# Allegro board pc053a_toplevel_33_ans_16-5_routed.brd (continued)
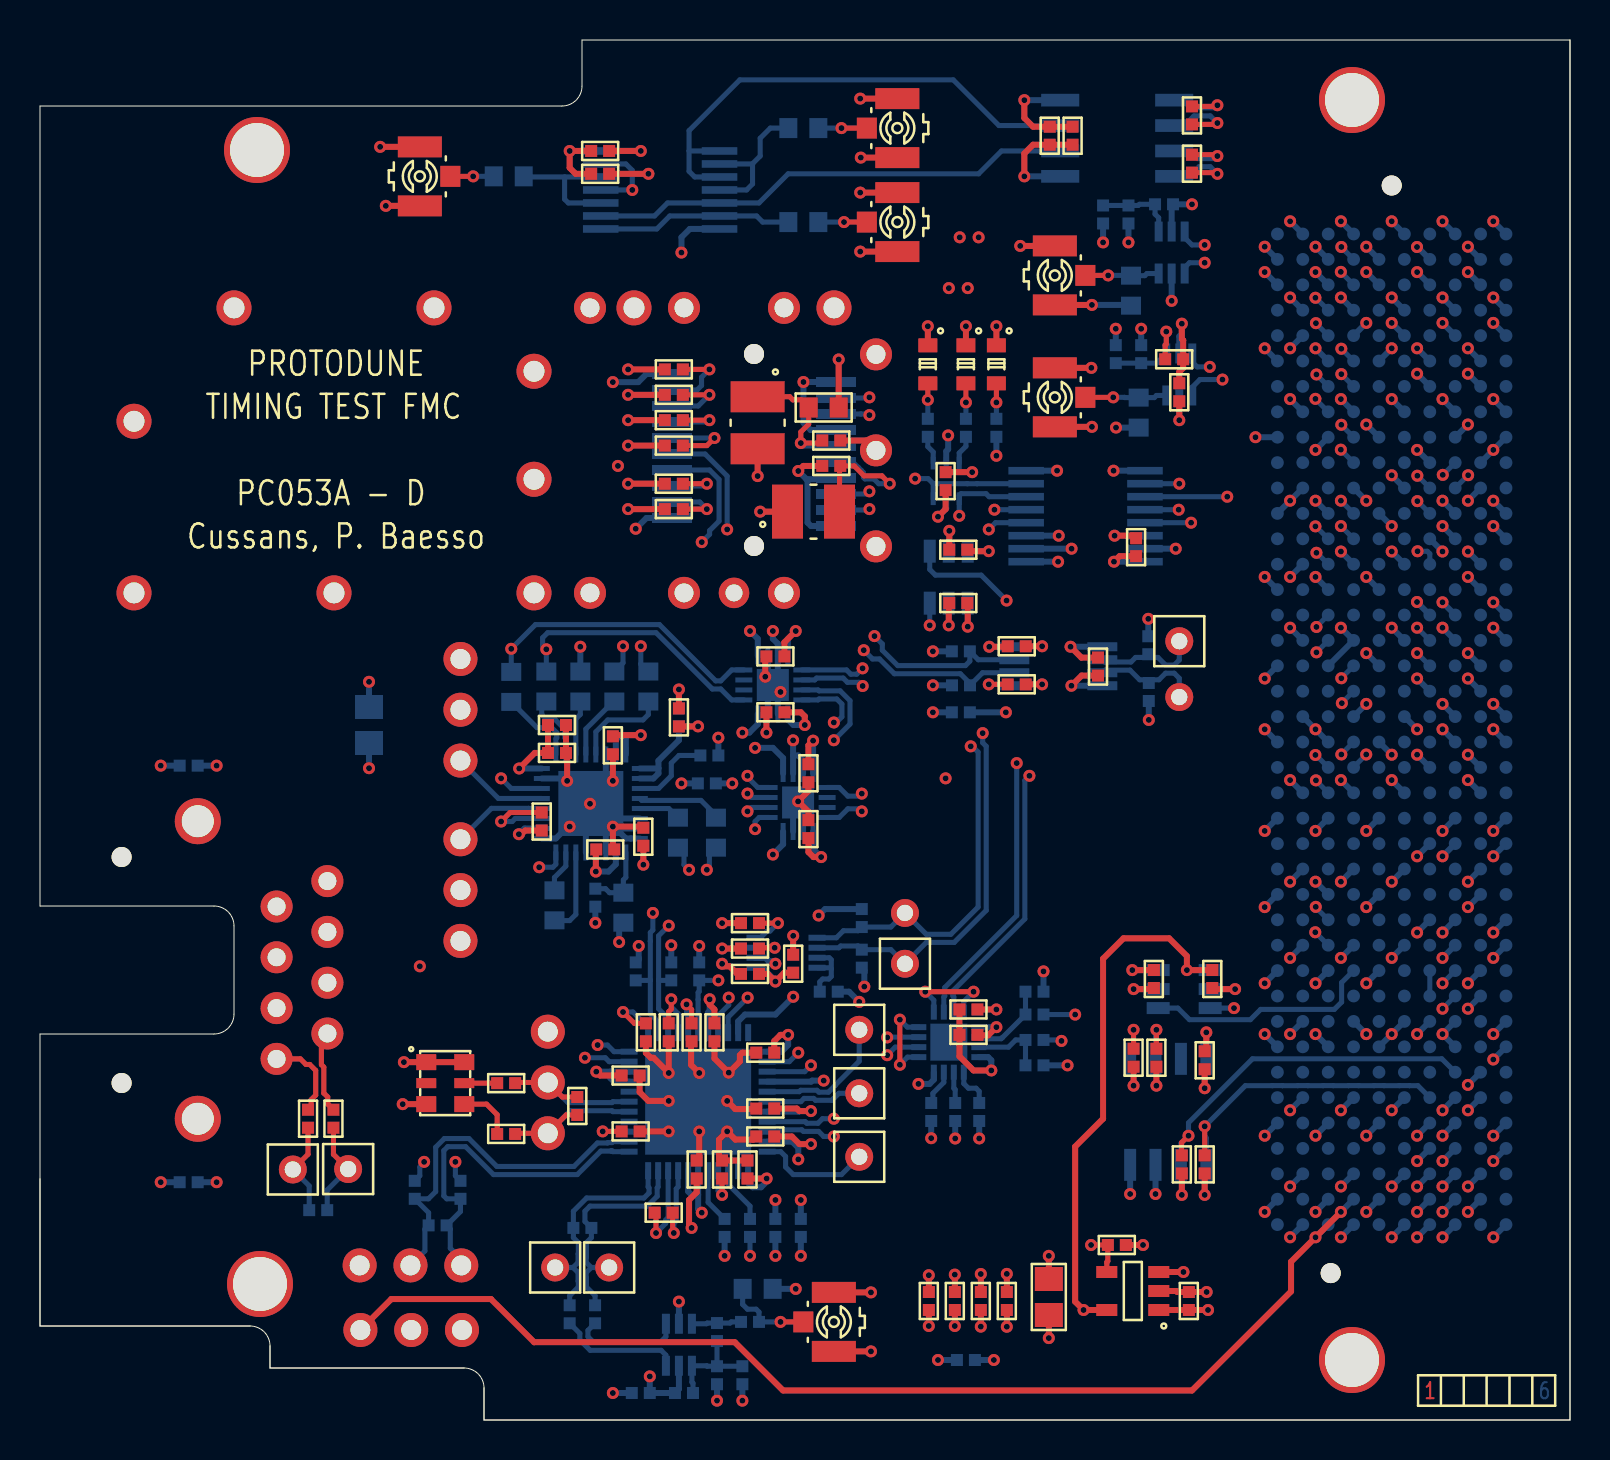
[diagram p0: board, top side]
## Routing (per net, layer and track width the routed paths; a pad name or vN(x,y) marks a point on that pad's centre or on a via; arc(x,y) is an arc through that point) (continued)
P1V8: length 49.4
  TOP w0.3: C65.2 58.61,22.5 v1(57.34,22.5) 57.34,23.19 56.46,24.08 54.17,24.08 53.15,23.07 53.15,15.06 51.76,13.67 51.76,5.92 v1(52.18,5.5) REG1.5 ; R40.1 v1(34.1,24.84) ; C19.2 v1(45.74,4.7) ; C13.2 v1(48.34,4.66) ; C14.2 v1(47.04,4.67) ; C12.2 v1(50.44,4.1) ; R41.1 v1(34.1,23.57) ; C117.2 v1(37.66,24.21) ; C20.2 v1(44.44,4.7)
  BOTTOM w0.3: IC4.32 37.61,13.92 37.91,13.61 v1(37.91,13.03) ; IC16.1 v1(57.34,22.5) ; IC1.2 36.26,23.11 36.44,22.94 36.64,22.94 v1(36.77,22.81) ; 32.41,12.47 32.41,11.43 32.58,11.26 32.91,11.26 ; R13.2 v1(34.23,8.21) ; R16.2 v1(32.96,23.7) ; R14.2 v1(31.56,23.74) ; v1(37.66,21.16) 36.77,20.27 35.25,20.27 34.91,19.93 IC4.21 ; v1(29.94,23.7) 29.94,23.03 R15.2 ; v1(33.09,10.37) 32.91,10.55 32.91,11.26 ; 32.91,11.26 32.91,12.47
P3V3: length 137.1
  TOP w0.3: C60.2 v1(30.42,62.31) ; C8.2 46.89,19.23 47.41,19.23 v1(47.82,19.64) ; QZ1.6 QZ1.1 v1(18.19,17.89) ; v1(49.22,65.99) 49.22,65.1 49.66,64.66 C58.2 C57.2 ; C45.2 37.59,14.18 37.97,13.79 v1(38.55,13.79) ; R29.1 v1(29.4,45.55) ; C32.2 37.84,15.57 37.97,15.45 v1(38.55,15.45) ; v1(30.04,63.45) C59.2 ; v1(23.96,32.58) 24.74,33.35 C37.2 C30.2 ; v1(33.48,21.03) 33.48,20.77 33.72,20.53 C49.2 ; R22.1 v1(29.4,52.53) ; v1(30.04,34.24) 28.7,34.24 C33.2 ; v1(23.94,29.29) 24.07,29.29 24.26,29.47 R57.2 ; R25.2 v1(29.4,48.72) ; L2.1 v1(36.01,45.42) ; C70.2 38.42,33.73 v1(38.65,33.97) ; v1(46.39,39.67) 46.39,40.82 C66.2 ; v1(47.46,38.66) 48.36,38.66 C107.2 ; C55.1 v1(36.33,12.07) ; L1.2 v1(35.88,47.2) ; C29.2 v1(30.17,27.77) ; v1(38.24,34.75) 38.24,35.19 38.04,35.38 C72.2 ; C7.2 v1(47.82,20.53) ; C71.2 37.22,38.88 v1(37.79,39.45) ; v1(32.58,9.6) 32.45,9.73 32.45,11 32.83,11.38 C48.2 ; v1(27.79,27.42) 27.79,28.51 C36.2 ; v1(27.81,17.42) 28.01,17.22 C31.2 ; v1(39.06,28.15) 38.68,28.15 38.42,28.4 C69.2 ; C56.1 56.96,52.4 57.16,52.6 R37.2 57.16,53.98 57.09,54.05 v1(57.09,54.82) ; C34.2 v1(32.9,34.68) ; C46.2 36.71,18.94 37.02,19.26 v1(37.41,19.26) ; v1(58.4,5.5) C9.2 REG1.1 ; R23.1 v1(29.4,51.26) ; C15.2 v1(46.61,47.39) ; REG1.3 v1(57.17,7.4) ; R24.2 v1(29.4,49.99) ; R28.1 v1(29.4,46.81)
  L3PWR w0.4: 18.56,3.47 J8.2 ; J8.2 18.56,5.53 ; J8.2 19.59,4.5 ; J8.2 17.53,4.5
  BOTTOM w0.3: v1(57.09,54.82) 57.09,54.31 56.96,54.18 IC7.5 ; IC17.8 37.39,39.05 v1(37.79,39.45) ; 29.28,34.24 29.02,34.24 28.79,34.01 IC12.31 ; 29.28,34.24 29.29,34.23 IC12.32 ; 29.28,34.24 v1(30.04,34.24) ; 35.41,12.47 35.41,11.86 35.63,11.64 36.05,11.64 36.33,11.92 v1(36.33,12.07) ; v1(38.24,34.75) 37.67,34.75 37.39,35.03 IC17.13 ; IC12.18 24.23,29.58 v1(23.94,29.29) ; R56.2 v1(47.82,48.21) ; IC4.9 28.52,17.42 ; 28.52,17.42 28.52,17.1 28.7,16.92 IC4.8 ; 28.52,17.42 v1(27.81,17.42) ; C4.1 v1(8.83,32.72) ; v1(33.48,21.03) 33.48,20.46 33.41,20.38 IC4.18 ; IC13.13 37.15,33.1 36.64,33.61 v1(35.75,33.61) ; C35.2 v1(16.45,32.59) ; IC4.29 37.94,15.42 37.97,15.45 v1(38.55,15.45) ; v1(35.12,34.37) 35.47,34.37 35.89,34.79 IC17.16 ; C47.2 v1(38.04,11) ; v1(57.6,60.78) R35.2 56.58,60.72 IC6.5 ; C10.2 v1(36.77,11) ; IC4.23 37.07,18.42 37.41,18.75 v1(37.41,19.26) ; IC8.8 v1(49.22,65.99) ; 30.92,32.59 30.91,32.58 IC12.1 ; 30.92,32.59 30.92,32.97 31.94,33.99 C34.2 v1(32.9,34.68) ; 30.92,32.59 30.92,32.33 30.67,32.08 IC12.2 ; IC15.8 v1(47.46,38.66) ; v1(39.06,28.15) 38.65,28.55 IC13.5 ; IC5.5 31.94,1.54 R32.2 C54.1 v1(30.49,2.18) ; IC3.9 v1(47.82,19.64) ; C6.1 v1(44.64,35.38) ; v1(39.18,16.97) 38.61,16.97 38.55,16.92 IC4.26 ; IC12.10 28.79,27.79 28.43,27.42 v1(27.79,27.42) IC12.12 ; C40.2 v1(32.07,31.83) ; C5.1 v1(44.9,3) ; P1.D36 v1(68.85,14.21) ; IC13.16 v1(38.65,33.97) ; IC17.5 35.89,39.06 v1(35.5,39.45) ; IC13.8 37.15,28.78 v1(36.64,28.27) ; P1.D40 v1(68.85,9.13) ; P1.C39 v1(70.12,10.41) ; R4.2 v1(45.76,14.08) ; C3.1 v1(8.83,11.89) ; IC12.24 v1(23.96,32.58) ; R411.1 v1(44.64,38.43) ; IC10.1 v1(50.9,42.91) ; P1.D38 v1(68.85,11.68) ; IC9.14 v1(30.04,63.45) ; IC14.1 v1(46.39,39.67) ; R140.1 v1(44.64,36.73)
P12V: length 5
  INNER4 w0.3: v1(70.12,12.95) 70.93,13.75 70.93,14.68 v1(70.12,15.48)
  BOTTOM w0.3: P1.C35 v1(70.12,15.48) ; P1.C37 v1(70.12,12.95)
VCC: length 1.4
  BOTTOM w0.3: IC11.5 45.31,48.44 45.41,48.53 v1(45.41,49.23)
CDR_LOL: length 43.3
  INNER3 w0.127: v1(45.28,32.08) 40.22,27.02 28.91,27.02 28.64,26.75 25.85,26.75 v1(24.96,27.64)
  INNER4 w0.127: v1(45.28,32.08) 45.28,34.75 46.42,35.89 46.42,38.69 47.25,39.51 47.25,41.04 45.96,42.32 v1(45.96,45.21)
  BOTTOM w0.254: IC10.6 47.45,46.16 47.3,46.32 46.05,46.32 45.96,46.23 IC11.1 v1(45.96,45.21) ; v1(24.96,27.64) 25.64,27.64 25.79,27.79 IC12.16
CDR_LOS: length 42.6
  INNER3 w0.127: v1(28.9,47.7) 34.99,47.7 35.75,48.47 37.47,48.47 37.71,48.23 38.12,48.23 38.35,48.47 40.2,48.47 41.22,47.45 43.37,47.45 v1(43.76,47.07)
  INNER4 w0.127: v1(23.05,32.08) 23.05,33.48 26.1,36.53 26.1,43.39 27.25,44.53 27.25,46.05 v1(28.9,47.7)
  BOTTOM w0.254: v1(23.05,32.08) 23.56,31.58 IC12.22 ; IC10.7 46.85,46.81 46.85,46.81 46.37,46.81 46.37,46.81 44.66,46.81 ; v1(43.76,47.07) 44.41,47.07 44.66,46.81 ; IC11.3 44.66,46.81
CLK_IN0_N: length 11.4
  BOTTOM w0.254: 26.65,7.62 26.9,7.37 26.9,6.95 26.92,6.94 26.92,6.65 26.48,6.22 C26.2 ; 26.65,7.62 TP8.1 ; 26.65,7.62 26.9,7.88 26.9,8.3 26.92,8.31 26.92,8.87 26.67,9.12 R9.2 26.67,10.44 27.33,11.1 30.2,11.1 30.45,11.35 30.45,11.61 30.41,11.66 30.41,12.47
CLK_IN0_P: length 11.5
  BOTTOM w0.254: 27.56,7.62 27.31,7.88 27.31,8.13 27.32,8.14 27.32,8.87 27.57,9.12 R9.1 27.25,9.93 27.25,10.44 27.5,10.69 30.37,10.69 30.86,11.19 30.86,11.61 30.91,11.66 30.91,12.47 ; 27.56,7.62 27.31,7.37 27.31,7.12 27.32,7.11 27.32,6.65 27.75,6.22 C23.2 ; 27.56,7.62 TP7.1
CLK_IN1_N: length 18.4
  BOTTOM w0.254: J3.2 19.24,8.45 19.24,9.55 R11.1 19.43,10.37 18.74,11.06 19.42,11.06 19.78,11.42 19.78,13.64 20.22,14.07 21.45,14.07 22.84,12.68 26.7,12.68 27.87,13.85 28.37,13.85 28.39,13.87 28.6,13.87 28.64,13.92 IC4.2
CLK_IN1_P: length 17.5
  BOTTOM w0.254: J3.3 21.06,8.04 20.51,8.59 20.51,9.55 R11.2 21.02,10.42 21.02,11.06 20.34,11.06 20.19,11.21 20.19,13.47 20.39,13.67 21.28,13.67 22.67,12.27 26.86,12.27 28.04,13.45 28.54,13.45 28.56,13.46 28.6,13.46 28.64,13.42 IC4.1
CLK_IN2_N: length 25.5
  TOP w0.254: C28.2 14.67,13.28 TP6.1
  INNER3 w0.127: v1(27.88,18.75) 27.57,19.06 27.04,19.06 26.22,18.24 22.67,18.24 17.34,12.91 17.34,11.26 16.58,10.49 15.82,10.49 15.41,10.9 TP6.1
  BOTTOM w0.254: IC4.11 28.7,18.42 28.37,18.75 v1(27.88,18.75) ; TP6.1 14.36,11.5 R8.2
CLK_IN2_P: length 27.6
  TOP w0.254: C22.2 13.4,13.29 TP5.1
  INNER3 w0.127: TP5.1 12.66,12.55 14.15,12.55 15.13,11.57 15.13,10.79 15.7,10.21 16.69,10.21 17.62,11.14 17.62,12.79 22.79,17.96 26.33,17.96 26.8,18.43 26.93,18.43 v1(27.25,18.11)
  BOTTOM w0.254: TP5.1 13.46,11.71 R8.1 ; v1(27.25,18.11) 28.26,18.11 28.46,17.92 IC4.10
CLK_RST: length 33.5
  INNER3 w0.127: v1(33.92,21.98) 35.7,21.98 36.26,21.41 37.02,21.41 39.69,24.08 56.21,24.08 57.31,22.99 57.61,22.99 57.9,22.7 57.9,22.4 v1(59.7,20.59)
  BOTTOM w0.254: v1(33.92,21.98) R16.1 32.96,21.43 32.9,21.37 32.9,21.02 32.9,20.05 32.91,20.05 IC4.17 ; IC16.3 v1(59.7,20.59)
CLK_SCL: length 13.9
  TOP w0.254: v1(36.73,23.61) 35.99,23.61 R41.2
  INNER3 w0.127: v1(36.73,23.61) 36.26,24.08 33.49,24.08 32.86,24.72 v1(31.44,24.72)
  BOTTOM w0.254: IC4.14 31.41,20.08 30.93,20.56 30.93,21.98 ; IC1.3 v1(36.73,23.61) ; 30.93,21.98 30.93,24.21 v1(31.44,24.72) ; 30.93,21.98 R14.1
CLK_SDA: length 16.2
  TOP w0.254: R40.2 v1(36.9,24.84)
  INNER3 w0.127: v1(30.64,25.35) 31.69,25.35 32.07,24.97 32.96,24.97 33.6,24.34 36.39,24.34 v1(36.9,24.84)
  BOTTOM w0.254: R15.1 30.52,21.98 ; 30.52,21.98 30.52,23.94 30.52,23.94 30.52,24.37 30.64,24.5 v1(30.64,25.35) ; 30.52,21.98 30.52,20.3 30.91,19.91 IC4.13 ; IC1.4 36.02,24.11 36.35,24.44 36.5,24.44 v1(36.9,24.84)
CTRLVCC: length 0.9
  BOTTOM w0.3: P1.D32 v1(68.85,19.3)
CVCC: length 87
  TOP w0.3: v1(51.53,38.66) 52.07,38.12 C16.2 ; C61.2 53.97,43.19 v1(53.7,42.91) ; C17.2 34.87,22.3 34.48,22.68 34.23,22.68 v1(34.1,22.81) ; R103.2 v1(55.82,16.72) ; v1(58.32,19.38) 58.32,18.52 C18.2 ; R1328.2 v1(58.23,11.26) ; R138.2 v1(57.09,11.26) ; C68.2 46.44,43.44 v1(47.44,43.44) ; J8.3 17.57,6.05 22.55,6.05 24.71,3.89 34.74,3.89 37.15,1.48 57.6,1.48 62.55,6.43 62.55,7.91 v1(63.77,9.13) v1(65.04,10.41) ; R42.2 v1(50.11,36.78) ; R39.2 v1(54.68,16.72) ; C67.2 55.69,22.5 v1(54.61,22.5)
  BOTTOM w0.3: IC16.6 v1(54.61,22.5) ; v1(40.96,20.91) 40.45,21.41 R1.2 ; IC10.2 v1(51.58,43.56) ; IC10.16 v1(53.7,42.91) ; IC15.1 v1(51.53,38.66) ; v1(38.93,25.23) 39.25,25.55 R242.2 ; P1.G39 v1(65.04,10.41) ; R143.2 v1(55.41,40.06) ; R43.2 41.22,22.49 v1(41.22,21.67) ; IC14.6 v1(47.44,43.44) ; IC2.8 v1(58.32,19.38) ; R142.2 v1(55.44,35) ; 49.31,44.22 v1(50.93,44.22) ; P1.H40 v1(63.77,9.13)
F_CDR_CLK_N: length 4
  BOTTOM w0.254: R55.1 24.85,34.62 25.58,34.62 25.84,34.36 25.84,34.11 25.79,34.06 IC12.25
F_CDR_CLK_P: length 3.5
  BOTTOM w0.254: IC12.26 26.29,34.06 26.24,34.11 26.24,34.53 25.75,35.02 25.34,35.02 25.09,35.28 25.09,35.69 R54.1
F_CDR_D_N: length 1.4
  BOTTOM w0.254: R53.2 29.15,37.86 v1(29.15,38.69)
F_CDR_D_P: length 1.4
  BOTTOM w0.254: R52.2 30.04,37.8 v1(30.04,38.69)
F_FMC_CLK_N: length 92.5
  TOP w0.254: v1(30.8,9.35) 30.8,10.3 R18.1
  INNER3 w0.127: v1(65.07,52.29) 64.57,52.79 60.12,52.79 59.22,53.68 59.22,54.57 55.96,57.84 46.84,57.84 46.05,57.05 46.05,56.93 v1(46.39,56.59)
  INNER4 w0.127: v1(30.8,9.35) 30.8,9.8 31.11,10.1 31.11,12.84 32.05,13.78 32.05,17.85 34.5,20.3 38.18,20.3 38.78,20.9 38.78,22.42 40.81,24.45 40.81,27.9 39.41,29.3 39.41,32.2 40.06,32.84 40.79,32.84 41.23,33.28 41.23,34.59 38.65,37.17 38.63,37.2 38.63,43.17 36.75,45.05 36.75,49.34 39.67,52.26 39.67,52.6 39.44,52.82 39.44,53.23 39.73,53.52 39.78,53.52 43.89,57.63 45.59,57.63 46.05,57.17 46.05,56.93 v1(46.39,56.59)
  BOTTOM w0.254: P1.G7 v1(65.07,52.29) ; v1(30.8,9.35) 31.28,9.83 31.28,10 31.41,10.12 31.41,12.47
F_FMC_CLK_P: length 92
  TOP w0.254: v1(31.69,9.35) 31.63,9.41 R18.2
  INNER3 w0.127: v1(65.07,53.56) 64.57,53.07 60.24,53.07 59.5,53.8 59.5,54.69 56.07,58.12 46.72,58.12 45.78,57.17 45.78,56.93 v1(45.44,56.59)
  INNER4 w0.127: v1(31.69,9.35) 31.69,9.8 31.39,10.1 31.39,12.73 32.33,13.67 32.33,17.73 34.61,20.02 38.29,20.02 39.06,20.78 39.06,22.3 41.09,24.34 41.09,28.02 39.69,29.42 39.69,32.08 40.17,32.57 40.91,32.57 41.51,33.17 41.51,34.71 38.9,37.31 38.9,43.28 37.02,45.16 37.02,49.23 39.95,52.15 39.95,52.54 40.14,52.54 40.42,52.82 40.42,53.23 40.15,53.5 44.01,57.36 45.47,57.36 45.78,57.05 45.78,56.93 v1(45.44,56.59)
  BOTTOM w0.254: 31.91,12.47 31.91,11.66 31.81,11.56 31.81,9.95 31.69,9.83 v1(31.69,9.35) ; P1.G6 v1(65.07,53.56)
F_GPIO_OUT0_N: length 23.9
  TOP w0.254: R45.1 58.81,62.37 v1(58.87,62.31)
  INNER4 w0.127: v1(58.87,62.31) 59.32,62.31 59.62,62.61 59.69,62.61 60.37,61.94 60.37,60.52 59.48,59.63 59.48,52.36 62.84,49 64.79,49 64.91,48.87 64.91,48.64 v1(65.04,48.52)
  BOTTOM w0.254: P1.G10 65.04,48.51 v1(65.04,48.52) ; v1(58.87,62.31) 58.51,62.66 57.95,62.66 57.47,62.18 IC8.4
F_GPIO_OUT0_P: length 23.7
  TOP w0.254: v1(58.87,63.2) 58.8,63.27 R45.2
  INNER4 w0.127: v1(65.07,49.76) 65.04,49.76 64.91,49.63 64.91,49.41 64.79,49.28 62.95,49.28 59.76,52.48 59.76,59.52 60.65,60.4 60.65,62.05 59.81,62.89 59.62,62.89 59.32,63.2 v1(58.87,63.2)
  BOTTOM w0.254: IC8.3 57.47,63.45 57.85,63.07 58.74,63.07 v1(58.87,63.2) ; v1(65.07,49.76) 65.07,49.75 P1.G9
F_GPIO_OUT1_N: length 25.6
  TOP w0.254: v1(58.87,65.74) 58.81,65.68 R46.1
  INNER4 w0.127: v1(63.77,51.06) 63.32,51.55 63.19,51.55 63.02,51.55 62.3,52.28 61.03,52.28 60.27,53.04 60.27,59.26 61.28,60.28 61.28,62.31 59.63,63.96 57.85,63.96 57.47,64.34 57.47,64.98 58.23,65.74 v1(58.87,65.74)
  BOTTOM w0.254: IC8.1 57.34,65.99 57.73,65.61 58.74,65.61 v1(58.87,65.74) ; P1.H8 63.77,51.05 v1(63.77,51.06)
F_GPIO_OUT1_P: length 24.8
  TOP w0.254: v1(58.87,64.85) 58.8,64.78 R46.2
  INNER4 w0.127: v1(58.87,64.85) 58.49,65.22 58.11,65.22 57.75,64.86 57.75,64.46 57.97,64.24 59.75,64.24 61.56,62.42 61.56,60.16 60.54,59.15 60.54,53.15 61.14,52.55 62.41,52.55 63.14,51.83 63.2,51.83 63.33,51.83 v1(63.82,52.28)
  BOTTOM w0.254: P1.H7 63.82,52.27 v1(63.82,52.28) ; IC8.2 57.22,64.72 57.7,65.2 58.51,65.2 v1(58.87,64.85)
F_MCX_CLK_N: length 6.2
  BOTTOM w0.254: C26.1 26.99,4.33 26.99,4 27.51,3.48 31.06,3.48 31.29,3.24 IC5.6
F_MCX_CLK_P: length 5.6
  BOTTOM w0.254: IC5.1 31.29,4.17 31.02,3.89 27.68,3.89 27.4,4.17 27.4,4.48 C23.1
F_RJ45_CLK_N: length 4.2
  TOP w0.254: 14.67,15.52 14.67,15.52 14.39,15.79 14.39,16.15 14.19,16.34 14.19,17.65 14.07,17.77 14.07,19.03 J1.2
F_RJ45_CLK_P: length 4.3
  TOP w0.254: J1.1 13.02,18.05 13.3,17.78 13.49,17.78 13.78,17.48 13.78,16.24 13.56,16.02 13.56,15.67 13.4,15.52
F_RJ45_D_N: length 65.2
  INNER3 w0.127: J1.5 10.1,24.86 10.1,28.02 12.89,30.81 23.94,30.81 25.85,32.72 47.44,32.72 48.2,33.48 59.12,33.48 61.97,36.33 64.81,36.33 64.94,36.2 64.94,35.97 65.07,35.84 v1(65.09,35.84)
  BOTTOM w0.254: P1.G19 65.08,35.84 v1(65.09,35.84)
F_RJ45_D_P: length 69.7
  INNER3 w0.127: J1.4 11.7,21.86 9.82,23.74 9.82,28.13 12.78,31.09 23.83,31.09 25.73,33 47.32,33 48.09,33.76 59.01,33.76 61.85,36.6 64.81,36.6 64.94,36.73 64.94,36.96 v1(65.07,37.09)
  BOTTOM w0.254: P1.G18 65.06,37.09 v1(65.07,37.09)
F_SFP_N: length 28.3
  INNER4 w0.127: v1(41.47,51.13) 41.02,51.13 40.72,50.83 40.48,50.83 40.07,50.43 40.07,49.61 39.69,49.23 39.69,42.24 42.36,39.58 42.36,33.48 41.09,32.21 40.45,32.21 40.07,31.83 40.07,31.6 40.71,30.96 40.71,30.81 v1(41.09,30.43)
  BOTTOM w0.254: v1(41.09,30.43) 40.96,30.56 40.39,30.56 39.96,30.13 IC13.4 ; J4.12 41.44,51.1 v1(41.47,51.13)
F_SFP_P: length 27.1
  INNER4 w0.127: v1(41.09,31.32) 40.74,31.32 40.67,31.4 40.35,31.71 40.57,31.93 41.2,31.93 42.64,33.36 42.64,39.69 39.97,42.36 39.97,49.11 40.35,49.49 40.35,50.31 40.59,50.55 40.72,50.55 41.02,50.24 v1(41.47,50.24)
  BOTTOM w0.254: v1(41.47,50.24) 41.41,50.3 41.04,50.3 J4.13 ; v1(41.09,31.32) 40.96,31.19 40.39,31.19 39.96,31.63 IC13.1
FMC_DI_N: length 0.9
  BOTTOM w0.254: v1(63.8,31.98) 63.8,31.97 P1.H23
FMC_DI_P: length 0.9
  BOTTOM w0.254: v1(63.77,33.25) 63.79,33.25 P1.H22
FMC_GA0: length 18.3
  TOP w0.254: v1(57.42,14.21) 57.08,13.87 57.08,13.24 R138.1
  BOTTOM w0.254: P1.C34 70.09,18.06 60.62,18.06 57.42,14.86 v1(57.42,14.21) 57.05,13.84 IC2.2
FMC_GA1: length 15.8
  TOP w0.254: R1328.1 v1(58.23,14.68)
  BOTTOM w0.254: P1.D35 68.89,16.72 68.47,16.72 68.47,16.72 67.97,16.72 67.97,16.72 67.2,16.72 67.2,16.72 66.7,16.72 66.7,16.72 65.93,16.72 65.93,16.72 65.43,16.72 65.43,16.72 64.66,16.72 64.66,16.72 64.16,16.72 64.16,16.72 63.39,16.72 63.39,16.72 62.89,16.72 62.89,16.72 62.12,16.72 62.12,16.72 61.62,16.72 61.62,16.72 60.27,16.72 v1(58.23,14.68) 58.23,14.18 58.32,14.09 IC2.1
FMC_LA07_N: length 18.6
  INNER4 w0.127: v1(63.82,43.36) 63.28,43.86 63.15,43.86 60.99,43.86 59.38,42.24 59.38,38.56 TP2.1
  BOTTOM w0.254: v1(63.82,43.36) 63.84,43.36 P1.H14 ; TP2.1 56.96,37.09 56.71,37.34 56.28,37.34 55.95,37.01 55.6,37.01 R142.1 55.28,37.01 54.98,37.01 54.5,37.49 53.25,37.49 IC15.3
FMC_LA07_P: length 18.9
  INNER4 w0.127: v1(63.77,44.68) 63.27,44.14 63.15,44.14 60.87,44.14 59.1,42.36 59.1,38.68 58.16,37.74 57.66,37.74 56.96,38.43 TP4.1
  BOTTOM w0.254: P1.H13 63.79,44.68 v1(63.77,44.68) ; 53.11,38.01 53.23,37.9 54.55,37.9 54.78,38.13 55.25,38.13 R143.1 55.57,38.13 55.9,38.13 56.28,37.75 56.71,37.75 56.96,38 TP4.1
FMC_LA11_N: length 38.3
  INNER3 w0.127: v1(63.82,38.38) 63.33,38.88 63,38.88 61.79,37.67 56.2,37.67 52.65,34.11 47.6,34.11 47.34,33.85 46.71,33.85 v1(46.54,33.68)
  BOTTOM w0.254: P1.H17 64.41,38.97 v1(63.82,38.38) ; v1(46.54,33.68) 46.62,33.68 46.91,33.4 46.91,25.65 45.54,24.29 44.31,24.29 TP1.1 42.54,24.65 R242.1 40.9,24.46 40.17,24.46 39.82,24.11 38.85,24.11
FMC_LA11_P: length 38.6
  INNER3 w0.127: v1(47.13,34.34) 47.18,34.39 52.53,34.39 56.09,37.95 61.67,37.95 62.88,39.16 63.33,39.16 v1(63.82,39.65)
  BOTTOM w0.254: v1(47.13,34.34) 47.13,33.86 47.31,33.68 47.31,25.48 45.71,23.88 44.31,23.88 TP3.1 42.54,23.52 R43.1 40.9,23.7 40.03,23.7 39.95,23.61 38.85,23.61 ; P1.H16 63.82,39.66 v1(63.82,39.65)
FMC_SCL: length 60.3
  TOP w0.254: v1(55.82,19.51) 55.82,18.56
  INNER3 w0.127: v1(70.12,21.84) 69.58,21.29 61.56,21.29 58.76,18.49 56.1,18.49 55.82,18.77 v1(55.82,19.51) 55.31,20.02 54.93,20.02 54.91,20 54.47,20 54.19,19.71 54.19,19.27 50.61,15.7 43.37,15.7 41.47,17.61 39.95,17.61 37.66,19.89 30.93,19.89 28.26,22.56 22.42,22.56 J5.3
  BOTTOM w0.254: IC2.6 55.78,19.46 v1(55.82,19.51) ; P1.C30 v1(70.12,21.84)
FMC_SDA: length 77.7
  TOP w0.254: 54.68,18.56 v1(54.68,19.51)
  INNER3 w0.127: v1(70.12,20.57) 69.66,21.03 61.66,21.03 58.87,18.24 55.95,18.24 v1(54.68,19.51) 54.68,19.02 50.98,15.32 40.33,15.32 39.56,16.08 38.42,16.08 35.25,19.26 29.53,19.26 26.86,21.92 19.75,21.92 v1(18.99,22.68)
  INNER4 w0.127: J6.3 18.99,36.02 v1(18.99,22.68)
  BOTTOM w0.254: P1.C31 v1(70.12,20.57) ; v1(54.68,19.51) 54.68,18.23 IC2.5
FPGA_CDR_LOL: length 11.1
  INNER3 w0.127: v1(65.04,45.97) 64.45,46.56 59.76,46.56 v1(59.36,46.16)
  BOTTOM w0.254: IC10.11 v1(59.36,46.16) ; P1.G12 v1(65.04,45.97)
FPGA_CDR_LOS: length 11.6
  INNER3 w0.127: v1(65.04,44.7) 64.45,45.29 59.12,45.29 57.6,46.81 v1(56.96,46.81)
  BOTTOM w0.254: P1.G13 v1(65.04,44.7) ; v1(56.96,46.81) IC10.10
FPGA_CLK_RST: length 11.6
  BOTTOM w0.254: P1.G30 65.08,21.87 65.08,20.9 64.71,20.53 61.03,20.53 60.52,20.02 57.47,20.02 56.89,20.59 IC16.4
FPGA_SFP_LOS: length 15.7
  INNER3 w0.127: v1(56.93,45.52) 57.85,45.52 59.33,44.03 68.28,44.03 v1(68.88,43.44)
  BOTTOM w0.254: IC10.12 v1(56.93,45.52) ; P1.D14 69.49,43.31 69.37,43.44 v1(68.88,43.44)
FPGA_SFP_TX_DIS: length 27.4
  INNER3 w0.127: v1(48.33,40.97) 67.5,40.97 v1(68.85,39.62)
  BOTTOM w0.254: v1(48.33,40.97) 47.06,42.24 44.77,42.24 44.49,42.53 IC14.4 ; P1.D17 v1(68.85,39.62)
FPGA_SFP_TX_FLT: length 19.9
  INNER3 w0.127: v1(68.85,38.34) 69.54,39.03 69.54,41.23 69.28,41.48 65.73,41.48 64.34,42.87 59.55,42.87 v1(57.55,44.87)
  BOTTOM w0.254: P1.D18 v1(68.85,38.34) ; IC10.13 v1(57.55,44.87)
GPIO_IN0_N: length 21.9
  INNER3 w0.127: v1(71.41,47.24) 71.41,47.26 71.28,47.38 71.04,47.38 70.91,47.51 70.91,49.12 64.41,55.62 61.24,55.62 60.01,56.85 60.01,57.86 59.43,58.45 58.99,58.45 58.68,58.75 v1(58.23,58.75)
  BOTTOM w0.254: v1(58.23,58.75) 57.6,58.75 57.23,59.12 IC6.6 ; v1(71.41,47.24) 71.41,47.25 P1.C11
GPIO_IN0_P: length 21.3
  INNER3 w0.127: v1(58.23,57.86) 58.68,57.86 58.99,58.17 59.31,58.17 59.73,57.75 59.73,56.73 61.12,55.34 64.3,55.34 70.63,49.01 70.63,47.51 70.51,47.38 70.27,47.38 v1(70.14,47.26)
  BOTTOM w0.254: v1(70.14,47.26) 70.14,47.25 P1.C10 ; IC6.1 57.23,57.62 57.47,57.86 v1(58.23,57.86)
GPIO_IN1_N: length 17.9
  INNER3 w0.127: v1(68.87,45.94) 68.37,46.44 66.87,46.44 65.98,47.32 60.27,47.32 58,49.59 58,51.73 58.17,51.9 58.17,52.34 v1(58.49,52.66)
  BOTTOM w0.254: P1.D12 68.88,45.94 v1(68.87,45.94) ; IC7.6 57.61,52.9 57.85,52.66 v1(58.49,52.66)
GPIO_IN1_P: length 17.9
  INNER3 w0.127: v1(68.87,47.21) 68.37,46.72 66.98,46.72 66.1,47.6 60.38,47.6 58.28,49.7 58.28,51.62 58.37,51.71 58.81,51.71 v1(59.12,52.02)